# Altium PCB PCB3.PcbDoc (part 1 of 5)
Units mil, origin at the board's own origin, x right, y up, seen from the top; angles counter-clockwise.
Board outline 6000 x 4000 mil, 2 copper layers (Top Layer, Bottom Layer); 340 components, 0 nets, 1296 pads, 308 vias.
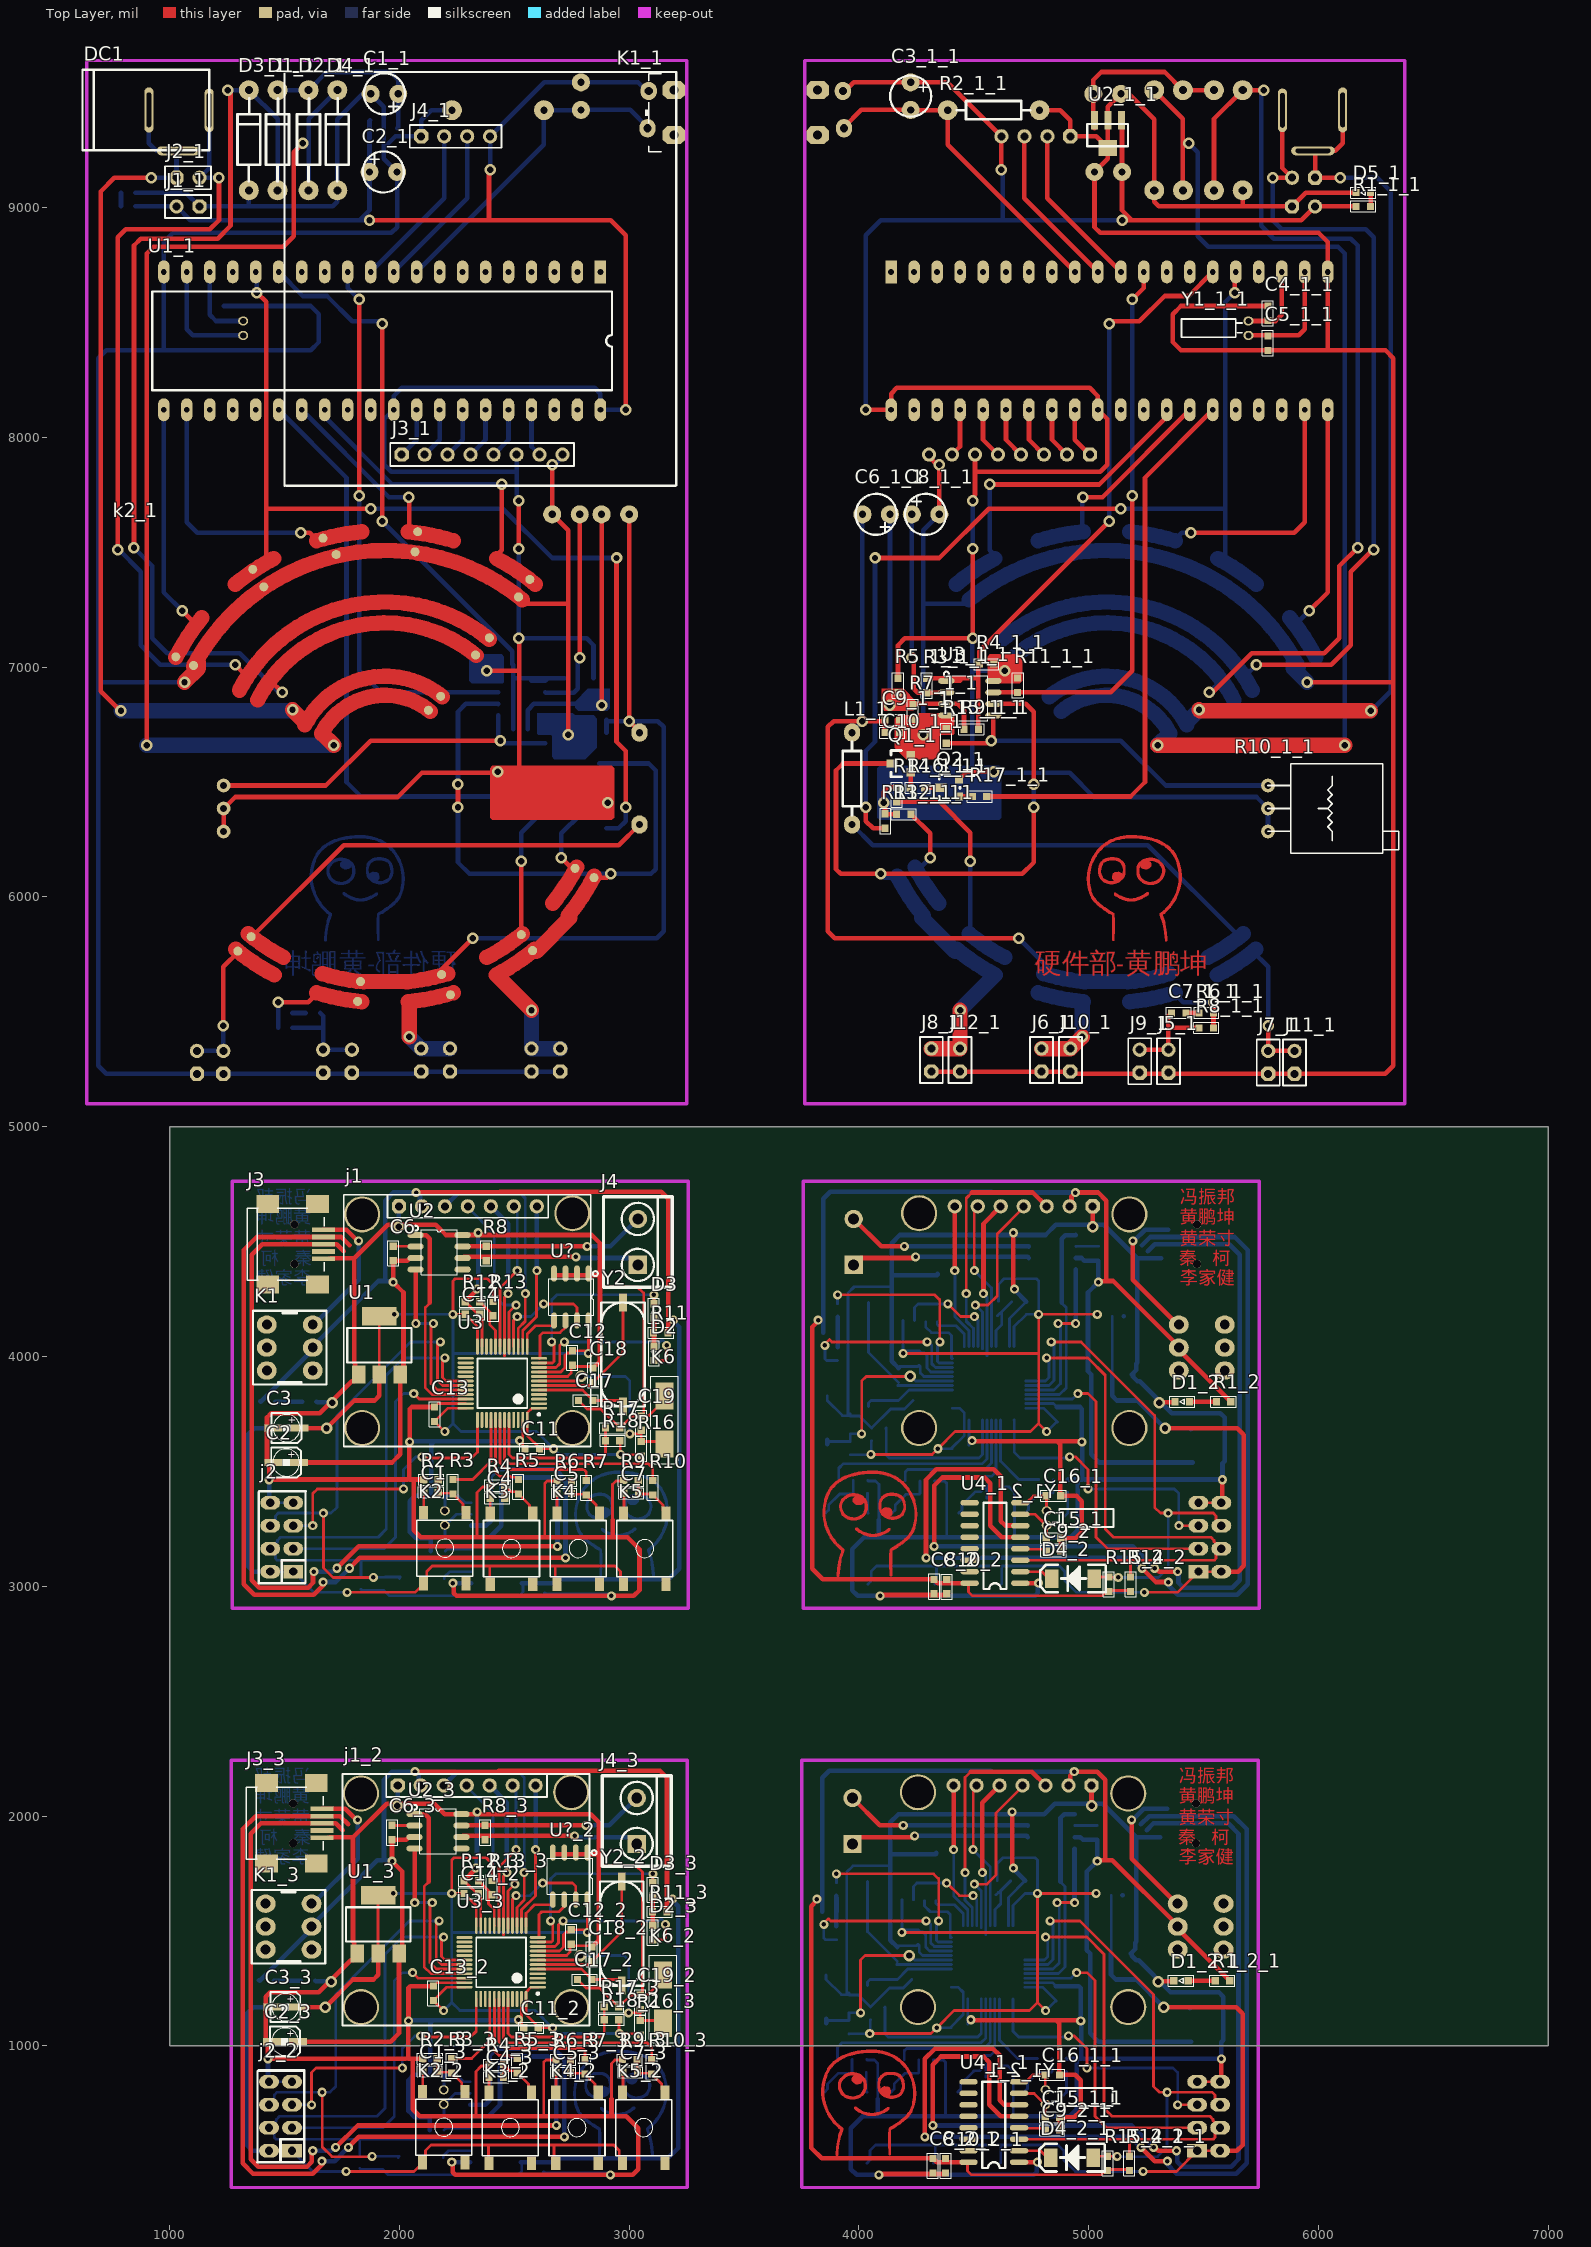
[diagram p0: Top Layer view]
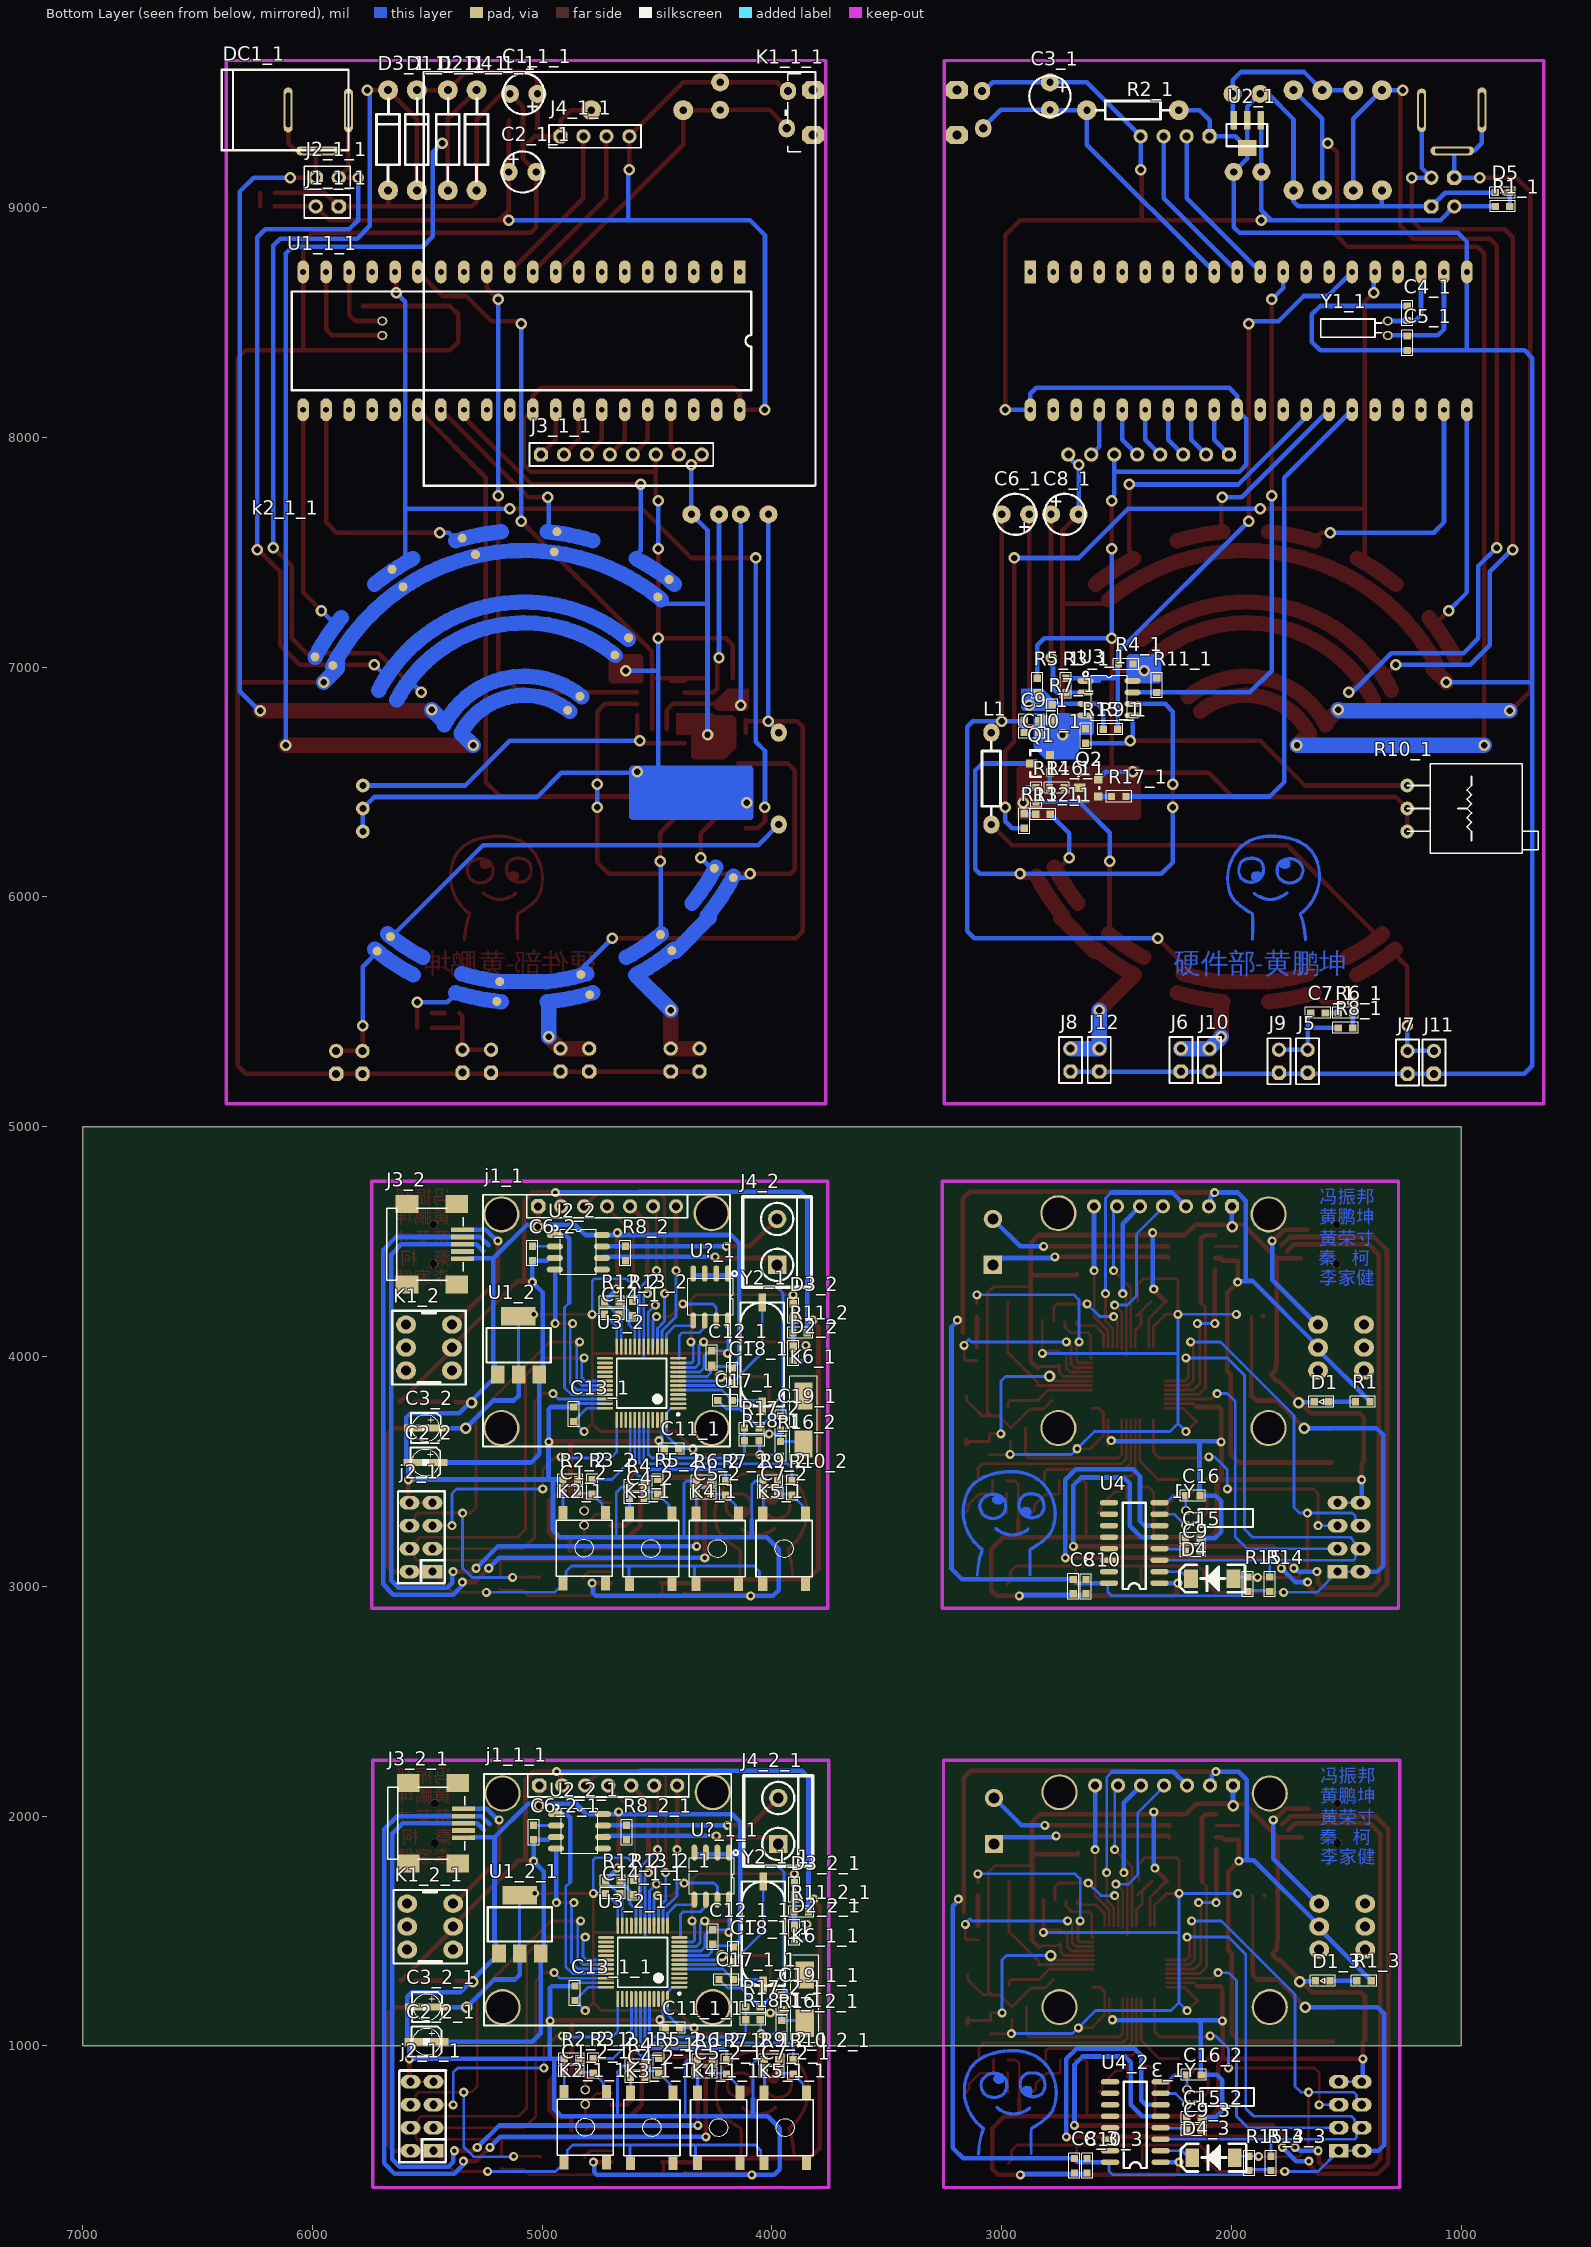
[diagram p1: Bottom Layer view, seen from below]

## Layer stack, top to bottom
Top Solder: solder mask 0.4, Solder Resist, Dk 3.5
Top Layer: signal copper 1.4
Dielectric 1: dielectric 12.6, FR-4, Dk 4.8
Bottom Layer: signal copper 1.4
Bottom Solder: solder mask 0.4, Solder Resist, Dk 3.5

## Board outline
1000,1000 7000,1000 7000,5000 1000,5000

## Design rules (kind name [scope] priority, off if disabled: settings)
Clearance [All] p1: gap=10 ignorepadtopadclearanceinfootprint=FALSE except(0: Arc-Hole Track-Hole SMDPad-Hole THPad-Hole Via-Hole Fill-Hole Poly-Hole Region-Hole Text-Hole)
PolygonConnect [All] p1: connectstyle=Relief reliefconductorwidth=10 reliefentries=4 polygonreliefangle="90 Angle" airgapwidth=10
RoutingVias [All] p1: holewidth=28 width=50 viastyle="Through Hole" minholewidth=28 minwidth=50 maxholewidth=28 maxwidth=50
SolderMaskExpansion [All] p1: expansion=4
Width [All] p1: maxlimit=10 minlimit=10 preferedwidth=10
30 further rules are at their usual default settings.

## Components (designator, comment, footprint, x,y, rotation, side; value= is the part's Value field where it differs from the comment)
C1 "104" C_0603 2138,3408.5 r180 top
C1_1 "470uf" CAP_1 1935,9495 r180 top (schematic designator C1)
C1_1_1 "470uf" CAP_1 5080,9495 r0 bottom (schematic designator C1)
C1_2 "104" C_0603 4877,3408.5 r0 bottom (schematic designator C1)
C1_2_1 "104" C_0603 4872,888.5 r0 bottom (schematic designator C1)
C1_3 "104" C_0603 2133,888.5 r180 top (schematic designator C1)
C2 "10uf" SMD-EC-F3 1563,3538.5 r180 top
C2_1 "470uf" CAP_1 1930,9155 r0 top (schematic designator C2)
C2_1_1 "470uf" CAP_1 5085,9155 r180 bottom (schematic designator C2)
C2_2 "10uf" SMD-EC-F3 5452,3538.5 r0 bottom (schematic designator C2)
C2_2_1 "10uf" SMD-EC-F3 5447,1018.5 r0 bottom (schematic designator C2)
C2_3 "10uf" SMD-EC-F3 1558,1018.5 r180 top (schematic designator C2)
C3 "10uf" SMD-EC-F3 1564.61,3688.5 r180 top
C3_1 "10uf" CAP_1 2790,9485 r270 bottom (schematic designator C3)
C3_1_1 "10uf" CAP_1 4225,9485 r270 top (schematic designator C3)
C3_2 "10uf" SMD-EC-F3 5450.39,3688.5 r0 bottom (schematic designator C3)
C3_2_1 "10uf" SMD-EC-F3 5445.39,1168.5 r0 bottom (schematic designator C3)
C3_3 "10uf" SMD-EC-F3 1559.61,1168.5 r180 top (schematic designator C3)
C4 "104" C_0603 2426.58,3383.5 r180 top
C4_1 "22p" C_0603 1235,8540 r270 bottom (schematic designator C4)
C4_1_1 "22p" C_0603 5780,8540 r270 top (schematic designator C4)
C4_2 "104" C_0603 4588.42,3383.5 r0 bottom (schematic designator C4)
C4_2_1 "104" C_0603 4583.42,863.5 r0 bottom (schematic designator C4)
C4_3 "104" C_0603 2421.58,863.5 r180 top (schematic designator C4)
C5 "104" C_0603 2718,3403.5 r180 top
C5_1 "22p" C_0603 1235,8410 r90 bottom (schematic designator C5)
C5_1_1 "22p" C_0603 5780,8410 r90 top (schematic designator C5)
C5_2 "104" C_0603 4297,3403.5 r0 bottom (schematic designator C5)
C5_2_1 "104" C_0603 4292,883.5 r0 bottom (schematic designator C5)
C5_3 "104" C_0603 2713,883.5 r180 top (schematic designator C5)
C6 "107" C_0603 1973,4448.5 r90 top
C6_1 "10UF" CAP_1 2940,7665 r0 bottom (schematic designator C6)
C6_1_1 "10UF" CAP_1 4075,7665 r180 top (schematic designator C6)
C6_2 "107" C_0603 5042,4448.5 r90 bottom (schematic designator C6)
C6_2_1 "107" C_0603 5037,1928.5 r90 bottom (schematic designator C6)
C6_3 "107" C_0603 1968,1928.5 r90 top (schematic designator C6)
C7 "104" C_0603 3009.5,3405 r180 top
C7_1 "105" C_0603 1623.5,5495 r180 bottom (schematic designator C7)
C7_1_1 "105" C_0603 5391.5,5495 r0 top (schematic designator C7)
C7_2 "104" C_0603 4005.5,3405 r0 bottom (schematic designator C7)
C7_2_1 "104" C_0603 4000.5,885 r0 bottom (schematic designator C7)
C7_3 "104" C_0603 3004.5,885 r180 top (schematic designator C7)
C8 "104" C_0603 2688,2998.5 r90 bottom
C8_1 "10UF" CAP_1 2725,7665 r180 bottom (schematic designator C8)
C8_1_1 "10UF" CAP_1 4290,7665 r0 top (schematic designator C8)
C8_2 "104" C_0603 4327,2998.5 r90 top (schematic designator C8)
C8_2_1 "104" C_0603 4322,478.5 r90 top (schematic designator C8)
C8_3 "104" C_0603 2683,478.5 r90 bottom (schematic designator C8)
C9 "103" C_0603 2168,3153.5 r0 bottom
C9_1 "104" C_0603 2870,6770 r0 bottom (schematic designator C9)
C9_1_1 "104" C_0603 4145,6770 r180 top (schematic designator C9)
C9_2 "103" C_0603 4847,3153.5 r180 top (schematic designator C9)
C9_2_1 "103" C_0603 4842,633.5 r180 top (schematic designator C9)
C9_3 "103" C_0603 2163,633.5 r0 bottom (schematic designator C9)
C10 "22U" C_0603 2633,2998.5 r270 bottom
C10_1 "104" C_0603 2870,6715 r0 bottom (schematic designator C10)
C10_1_1 "104" C_0603 4145,6715 r180 top (schematic designator C10)
C10_2 "22U" C_0603 4382,2998.5 r270 top (schematic designator C10)
C10_2_1 "22U" C_0603 4377,478.5 r270 top (schematic designator C10)
C10_3 "22U" C_0603 2628,478.5 r270 bottom (schematic designator C10)
C11 "104" C_0603 2578,3598.5 r0 top
C11_1 "104" C_0603 4437,3598.5 r180 bottom (schematic designator C11)
C11_1_1 "104" C_0603 4432,1078.5 r180 bottom (schematic designator C11)
C11_2 "104" C_0603 2573,1078.5 r0 top (schematic designator C11)
C12 "104" C_0603 2753,3993.5 r90 top
C12_1 "104" C_0603 4262,3993.5 r90 bottom (schematic designator C12)
C12_1_1 "104" C_0603 4257,1473.5 r90 bottom (schematic designator C12)
C12_2 "104" C_0603 2748,1473.5 r90 top (schematic designator C12)
C13 "104" C_0603 2153,3748.5 r270 top
C13_1 "104" C_0603 4862,3748.5 r270 bottom (schematic designator C13)
C13_1_1 "104" C_0603 4857,1228.5 r270 bottom (schematic designator C13)
C13_2 "104" C_0603 2148,1228.5 r270 top (schematic designator C13)
C14 "104" C_0603 2318,4183.5 r180 top
C14_1 "104" C_0603 4697,4183.5 r0 bottom (schematic designator C14)
C14_1_1 "104" C_0603 4692,1663.5 r0 bottom (schematic designator C14)
C14_2 "104" C_0603 2313,1663.5 r180 top (schematic designator C14)
C15 "22P" C_0603 2168,3208.5 r0 bottom
C15_1 "22P" C_0603 4847,3208.5 r180 top (schematic designator C15)
C15_1_1 "22P" C_0603 4842,688.5 r180 top (schematic designator C15)
C15_2 "22P" C_0603 2163,688.5 r0 bottom (schematic designator C15)
C16 "22P" C_0603 2168,3393.5 r0 bottom
C16_1 "22P" C_0603 4847,3393.5 r180 top (schematic designator C16)
C16_1_1 "22P" C_0603 4842,873.5 r180 top (schematic designator C16)
C16_2 "22P" C_0603 2163,873.5 r0 bottom (schematic designator C16)
C17 "22P" C_0603 2811.5,3808.5 r0 top
C17_1 "22P" C_0603 4203.5,3808.5 r180 bottom (schematic designator C17)
C17_1_1 "22P" C_0603 4198.5,1288.5 r180 bottom (schematic designator C17)
C17_2 "22P" C_0603 2806.5,1288.5 r0 top (schematic designator C17)
C18 "22P" C_0603 2843,3918.5 r270 top
C18_1 "22P" C_0603 4172,3918.5 r270 bottom (schematic designator C18)
C18_1_1 "22P" C_0603 4167,1398.5 r270 bottom (schematic designator C18)
C18_2 "22P" C_0603 2838,1398.5 r270 top (schematic designator C18)
C19 "104" C_0603 3053,3710 r90 top
C19_1 "104" C_0603 3962,3710 r90 bottom (schematic designator C19)
C19_1_1 "104" C_0603 3957,1190 r90 bottom (schematic designator C19)
C19_2 "104" C_0603 3048,1190 r90 top (schematic designator C19)
D1 "LED" LED_0603 1608,3803.5 r0 bottom value=BLUE
D1_1 "1N4007" DO-1N4007 1470,9325 r90 top (schematic designator D1)
D1_1_1 "1N4007" DO-1N4007 5545,9325 r90 bottom (schematic designator D1)
D1_2 "LED" LED_0603 5407,3803.5 r180 top value=BLUE (schematic designator D1)
D1_2_1 "LED" LED_0603 5402,1283.5 r180 top value=BLUE (schematic designator D1)
D1_3 "LED" LED_0603 1603,1283.5 r0 bottom value=BLUE (schematic designator D1)
D2 "LED" LED_0603 3108,4013.5 r270 top value=BLUE
D2_1 "1N4007" DO-1N4007 1605,9325 r90 top (schematic designator D2)
D2_1_1 "1N4007" DO-1N4007 5410,9325 r90 bottom (schematic designator D2)
D2_2 "LED" LED_0603 3907,4013.5 r270 bottom value=BLUE (schematic designator D2)
D2_2_1 "LED" LED_0603 3902,1493.5 r270 bottom value=BLUE (schematic designator D2)
D2_3 "LED" LED_0603 3103,1493.5 r270 top value=BLUE (schematic designator D2)
D3 "LED" LED_0603 3108,4198.5 r90 top value=BLUE
D3_1 "1N4007" DO-1N4007 1345,9325 r90 top (schematic designator D3)
D3_1_1 "1N4007" DO-1N4007 5670,9325 r90 bottom (schematic designator D3)
D3_2 "LED" LED_0603 3907,4198.5 r90 bottom value=BLUE (schematic designator D3)
D3_2_1 "LED" LED_0603 3902,1678.5 r90 bottom value=BLUE (schematic designator D3)
D3_3 "LED" LED_0603 3103,1678.5 r90 top value=BLUE (schematic designator D3)
D4 "SMAJ5.0CA" DO-214-A 2083,3033.5 r0 bottom
D4_1 "1N4007" DO-1N4007 1730,9325 r90 top (schematic designator D4)
D4_1_1 "1N4007" DO-1N4007 5285,9325 r90 bottom (schematic designator D4)
D4_2 "SMAJ5.0CA" DO-214-A 4932,3033.5 r180 top (schematic designator D4)
D4_2_1 "SMAJ5.0CA" DO-214-A 4927,513.5 r180 top (schematic designator D4)
D4_3 "SMAJ5.0CA" DO-214-A 2078,513.5 r0 bottom (schematic designator D4)
D5 "LED" LED_0603 820,9065 r0 bottom value=BLUE
D5_1 "LED" LED_0603 6195,9065 r180 top value=BLUE (schematic designator D5)
DC1 "DC-009" DC-005 1041.09,9336 r0 top
DC1_1 "DC-009" DC-005 5973.91,9336 r180 bottom (schematic designator DC1)
j1 "OLED" OLED_7 2218,4603.5 r0 top locked
j1_1 "OLED" OLED_7 4797,4603.5 r180 bottom locked (schematic designator j1)
J1_1 "COM2-5V" COM2-2.54 1080,9005 r180 top (schematic designator J1)
j1_1_1 "OLED" OLED_7 4792,2083.5 r180 bottom locked (schematic designator j1)
J1_1_1 "COM2-5V" COM2-2.54 5935,9005 r0 bottom (schematic designator J1)
j1_2 "OLED" OLED_7 2213,2083.5 r0 top locked (schematic designator j1)
j2 "COM4x2-2.54" COM4X2-2.54 1488,3213.5 r90 top
j2_1 "COM4x2-2.54" COM4X2-2.54 5527,3213.5 r90 bottom (schematic designator j2)
J2_1 "COM2-9V" COM2-2.54 1080,9130 r0 top (schematic designator J2)
j2_1_1 "COM4x2-2.54" COM4X2-2.54 5522,693.5 r90 bottom (schematic designator j2)
J2_1_1 "COM2-9V" COM2-2.54 5935,9130 r180 bottom (schematic designator J2)
j2_2 "COM4x2-2.54" COM4X2-2.54 1483,693.5 r90 top (schematic designator j2)
J3 "USB-MINI" USB-MINI 1548,4488.5 r90 top locked
J3_1 "LCD5110" COM8-2.54 2360,7925 r0 top locked (schematic designator J3)
J3_1_1 "LCD5110" COM8-2.54 4655,7925 r180 bottom locked (schematic designator J3)
J3_2 "USB-MINI" USB-MINI 5467,4488.5 r90 bottom locked (schematic designator J3)
J3_2_1 "USB-MINI" USB-MINI 5462,1968.5 r90 bottom locked (schematic designator J3)
J3_3 "USB-MINI" USB-MINI 1543,1968.5 r90 top locked (schematic designator J3)
J4 "CON_2PIN" CON_2PIN 3038,4498.5 r270 top
J4_1 "COM4-2.54" COM4-2.54 2245,9310 r0 top (schematic designator J4)
J4_1_1 "COM4-2.54" COM4-2.54 4770,9310 r180 bottom (schematic designator J4)
J4_2 "CON_2PIN" CON_2PIN 3977,4498.5 r270 bottom (schematic designator J4)
J4_2_1 "CON_2PIN" CON_2PIN 3972,1978.5 r270 bottom (schematic designator J4)
J4_3 "CON_2PIN" CON_2PIN 3033,1978.5 r270 top (schematic designator J4)
J5 "频率" COM2-2.54 1668.24,5285 r90 bottom
J5_1 "频率" COM2-2.54 5346.76,5285 r90 top (schematic designator J5)
J6 "无极性电容" COM2-2.54 2220,5290 r90 bottom
J6_1 "无极性电容" COM2-2.54 4795,5290 r90 top (schematic designator J6)
J7 "电感" COM2-2.54 1234,5280 r90 bottom
J7_1 "电感" COM2-2.54 5781,5280 r90 top (schematic designator J7)
J8 "有极性电容" COM2-2.54 2700,5290 r90 bottom
J8_1 "有极性电容" COM2-2.54 4315,5290 r90 top (schematic designator J8)
J9 "频率" COM2-2.54 1793.24,5285 r90 bottom
J9_1 "频率" COM2-2.54 5221.76,5285 r90 top (schematic designator J9)
J10 "无极性电容" COM2-2.54 2095,5290 r90 bottom
J10_1 "无极性电容" COM2-2.54 4920,5290 r90 top (schematic designator J10)
J11 "电感" COM2-2.54 1119,5280 r90 bottom
J11_1 "电感" COM2-2.54 5896,5280 r90 top (schematic designator J11)
J12 "有极性电容" COM2-2.54 2575,5290 r90 bottom
J12_1 "有极性电容" COM2-2.54 4440,5290 r90 top (schematic designator J12)
K1 "SW-6" SW-6 1523,4038.5 r180 top
K1_1 "SW-PB" SW-PB2 3135,9410 r90 top (schematic designator K1)
K1_1_1 "SW-PB" SW-PB2 3880,9410 r90 bottom (schematic designator K1)
K1_2 "SW-6" SW-6 5492,4038.5 r0 bottom (schematic designator K1)
K1_2_1 "SW-6" SW-6 5487,1518.5 r0 bottom (schematic designator K1)
K1_3 "SW-6" SW-6 1518,1518.5 r180 top (schematic designator K1)
K2 "SW-PB" SW6.2/6.2-SMD 2198,3165.24 r270 top
K2_1 "SW-PB" SW6.2/6.2-SMD 4817,3165.24 r270 bottom (schematic designator K2)
k2_1 "xzkey" xzkey 2085,6170 r0 top locked (schematic designator k2)
K2_1_1 "SW-PB" SW6.2/6.2-SMD 4812,645.24 r270 bottom (schematic designator K2)
k2_1_1 "xzkey" xzkey 4930,6170 r180 bottom locked (schematic designator k2)
K2_2 "SW-PB" SW6.2/6.2-SMD 2193,645.24 r270 top (schematic designator K2)
K3 "SW-PB" SW6.2/6.2-SMD 2488,3163.5 r270 top
K3_1 "SW-PB" SW6.2/6.2-SMD 4527,3163.5 r270 bottom (schematic designator K3)
K3_1_1 "SW-PB" SW6.2/6.2-SMD 4522,643.5 r270 bottom (schematic designator K3)
K3_2 "SW-PB" SW6.2/6.2-SMD 2483,643.5 r270 top (schematic designator K3)
K4 "SW-PB" SW6.2/6.2-SMD 2778,3163.5 r270 top
K4_1 "SW-PB" SW6.2/6.2-SMD 4237,3163.5 r270 bottom (schematic designator K4)
K4_1_1 "SW-PB" SW6.2/6.2-SMD 4232,643.5 r270 bottom (schematic designator K4)
K4_2 "SW-PB" SW6.2/6.2-SMD 2773,643.5 r270 top (schematic designator K4)
K5 "SW-PB" SW6.2/6.2-SMD 3068,3163.5 r270 top
K5_1 "SW-PB" SW6.2/6.2-SMD 3947,3163.5 r270 bottom (schematic designator K5)
K5_1_1 "SW-PB" SW6.2/6.2-SMD 3942,643.5 r270 bottom (schematic designator K5)
K5_2 "SW-PB" SW6.2/6.2-SMD 3063,643.5 r270 top (schematic designator K5)
K6 "SW-PB" SW-PB4 3153,3723.5 r90 top
K6_1 "SW-PB" SW-PB4 3862,3723.5 r90 bottom (schematic designator K6)
K6_1_1 "SW-PB" SW-PB4 3857,1203.5 r90 bottom (schematic designator K6)
K6_2 "SW-PB" SW-PB4 3148,1203.5 r90 top (schematic designator K6)
L1 "100uh" AXIAL0.4#1 3045,6515 r90 bottom
L1_1 "100uh" AXIAL0.4#1 3970,6515 r90 top (schematic designator L1)
Q1 "S8050" SOT-23 2830,6580 r90 bottom
Q1_1 "S8050" SOT-23 4185,6580 r90 top (schematic designator Q1)
Q2 "S8550" SOT-23 2620,6474.5 r90 bottom
Q2_1 "S8550" SOT-23 4395,6474.5 r90 top (schematic designator Q2)
R1 "1K" R_0603 1428,3803.5 r0 bottom
R1_1 "1k" R_0603 820,9005 r180 bottom (schematic designator R1)
R1_1_1 "1k" R_0603 6195,9005 r0 top (schematic designator R1)
R1_2 "1K" R_0603 5587,3803.5 r180 top (schematic designator R1)
R1_2_1 "1K" R_0603 5582,1283.5 r180 top (schematic designator R1)
R1_3 "1K" R_0603 1423,1283.5 r0 bottom (schematic designator R1)
R2 "4.7k" R_0603 2138,3463.5 r0 top
R2_1 "10k" AXIAL0.4#2 2410,9430 r180 bottom (schematic designator R2)
R2_1_1 "10k" AXIAL0.4#2 4605,9430 r0 top (schematic designator R2)
R2_2 "4.7k" R_0603 4877,3463.5 r180 bottom (schematic designator R2)
R2_2_1 "4.7k" R_0603 4872,943.5 r180 bottom (schematic designator R2)
R2_3 "4.7k" R_0603 2133,943.5 r0 top (schematic designator R2)
R3 "1k" R_0603 2233,3433.5 r270 top
R3_1 "47k" R_0603 2720,6920 r270 bottom (schematic designator R3)
R3_1_1 "47k" R_0603 4295,6920 r270 top (schematic designator R3)
R3_2 "1k" R_0603 4782,3433.5 r270 bottom (schematic designator R3)
R3_2_1 "1k" R_0603 4777,913.5 r270 bottom (schematic designator R3)
R3_3 "1k" R_0603 2228,913.5 r270 top (schematic designator R3)
R4 "4.7k" R_0603 2426.58,3438.5 r0 top
R4_1 "1k" R_0603 2460,7013.23 r0 bottom (schematic designator R4)
R4_1_1 "1k" R_0603 4555,7013.23 r180 top (schematic designator R4)
R4_2 "4.7k" R_0603 4588.42,3438.5 r180 bottom (schematic designator R4)